# Altium PCB LimeSDR-X3_1v1.PcbDoc (part 18 of 25)
Units mm, origin at the board's own origin, x right, y up, seen from the top; angles counter-clockwise.
Board outline 232.5 x 111.15 mm, 12 copper layers (Top, L2, L3, L4, L5, L6, L7, L8, L9, L10, L11, Bottom), stack 1.596 mm thick; 2068 components, 1388 nets, 8930 pads, 3646 vias.
Unrouted connection lines stored in the file: 1.
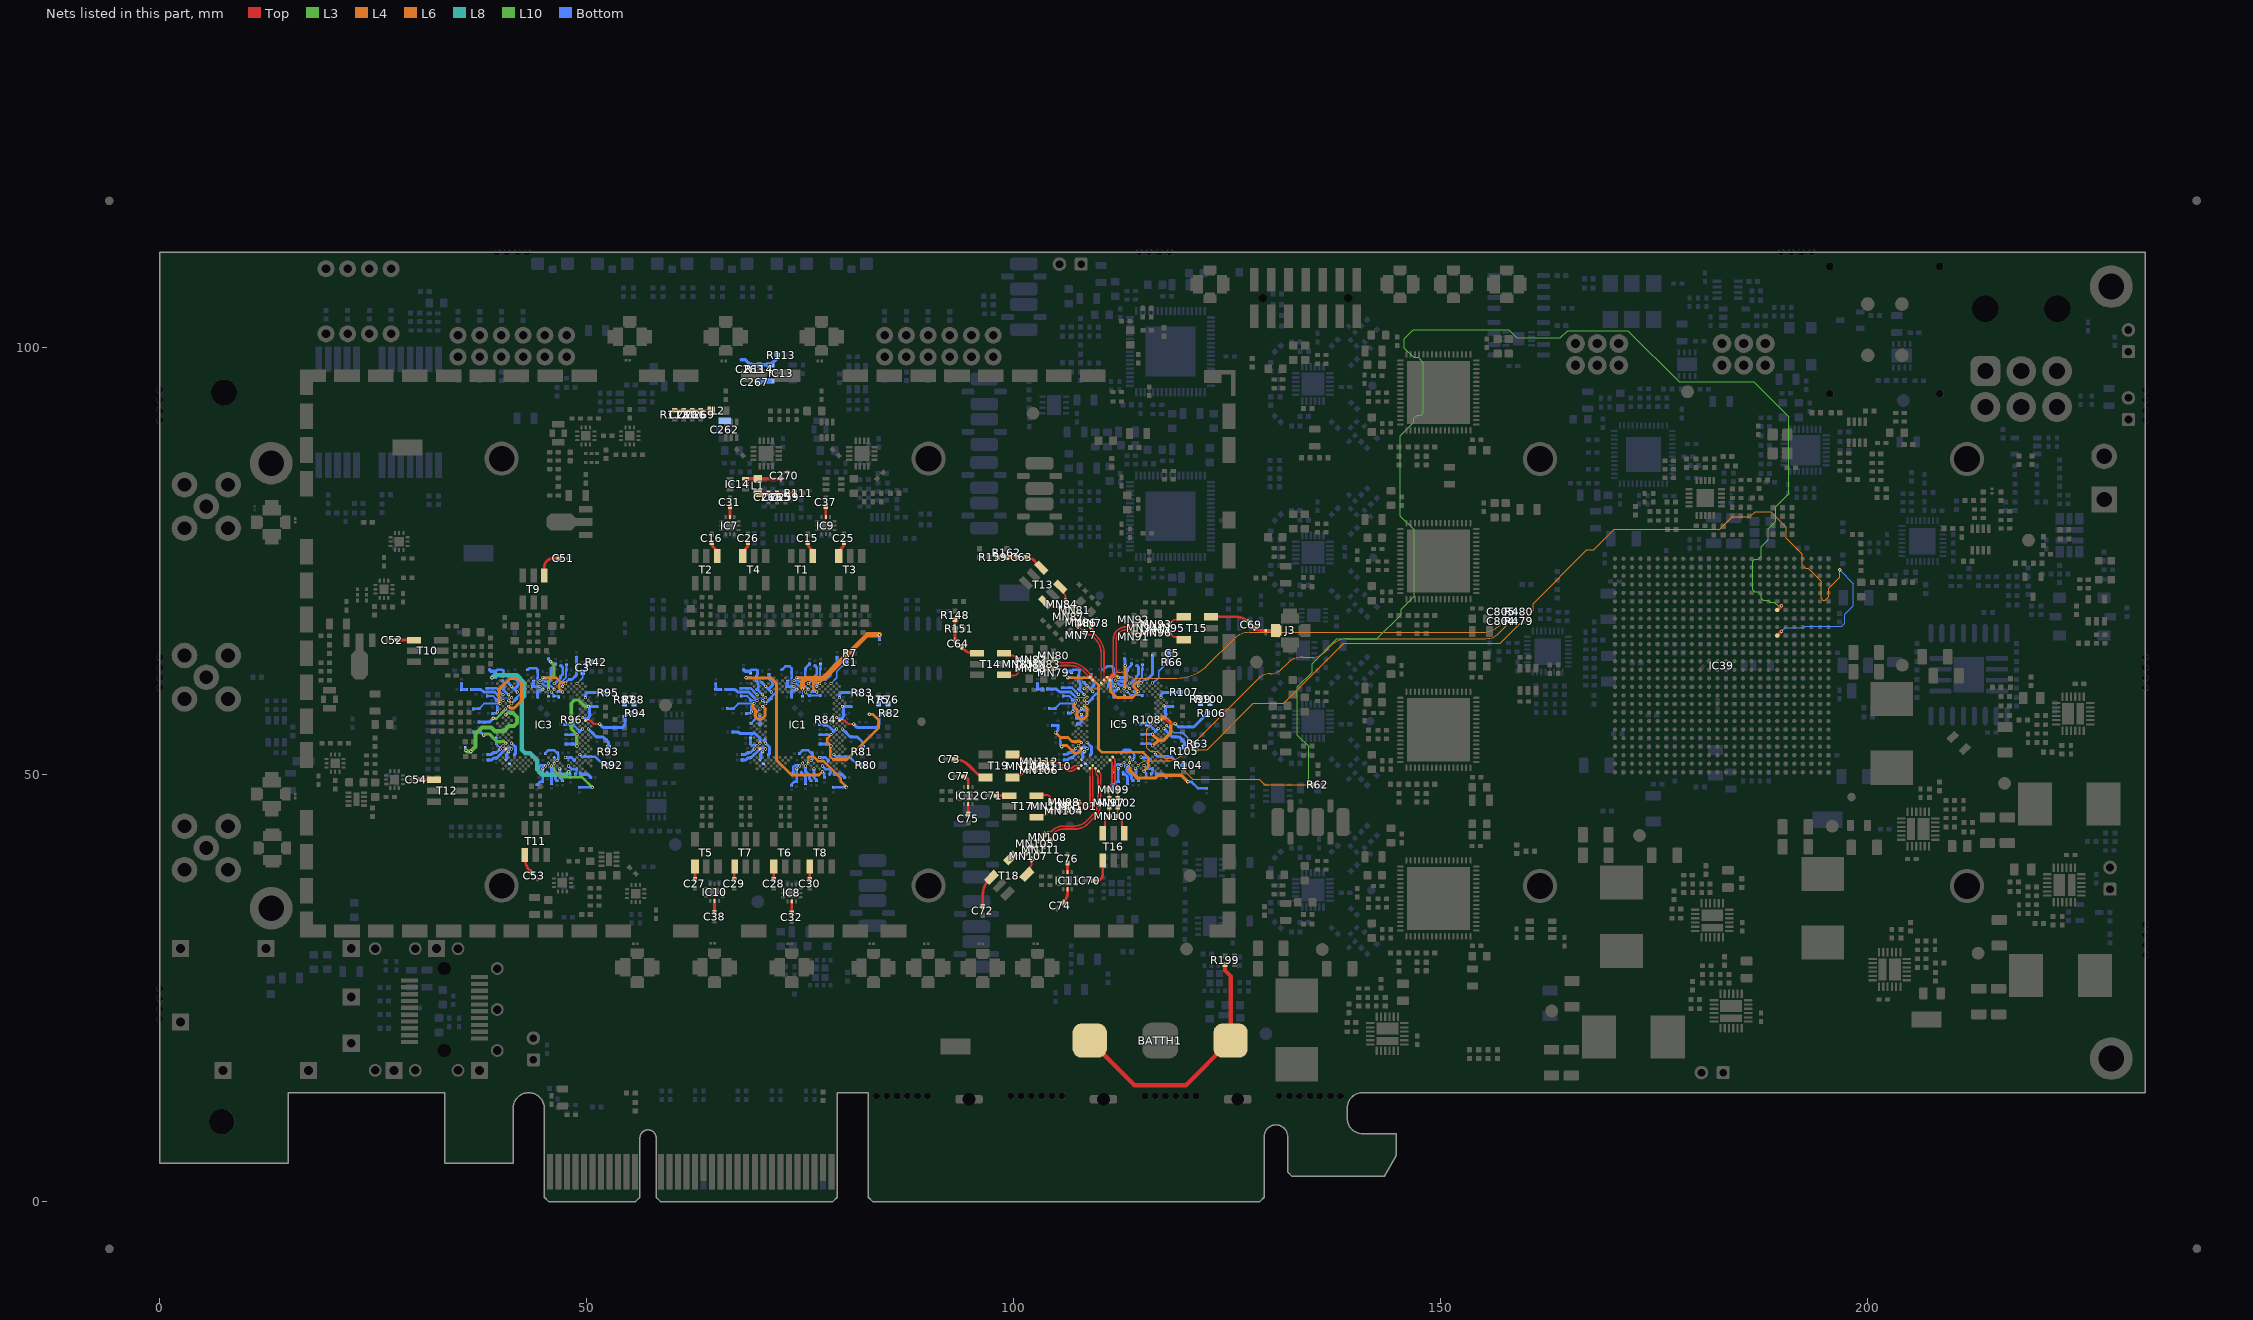
[diagram p28: the nets of this part, all layers, seen from the top]

## Via types
v1: diameter 0.4, hole 0.2, Top to Bottom, tented both sides, 3063 vias
v2: diameter 0.35, hole 0.2, Top to Bottom, tented both sides, 272 vias
v3: diameter 0.5, hole 0.2, Top to Bottom, tented bottom, 196 vias
v4: diameter 0.5, hole 0.2, Top to Bottom, tented both sides, 102 vias
v5: diameter 0.8, hole 0.4, Top to Bottom, tented both sides, 13 vias

## Nets (pads, with @x,y where several pads share a name; then routed paths per layer and width w, separated by ;. In a path a pad name is that pad's centre, name@x,y a point inside that pad or via, vN(x,y) a via of type N, cw(c..) or ccw(c..) an arc to the next point about the centre after c; other vN are vias at no path point) (continued)
LMS3_RXEN: IC5.V34 IC39.U7 R63.2 | length 117.6
  Top w0.4: IC39.U7@189.375,66.275 v1(189.875,66.775)
  L6 w0.1: v1(121.425,52.925) 122.624,52.925 128.049,58.35 131.575,58.35 138.625,65.4 156.95,65.4 160.8,69.25 160.8,70.025 167.1,76.325 167.875,76.325 170.275,78.725 182.65,78.725 184.1,80.175 186.15,80.175 186.775,80.8 188.626,80.8 190.45,78.976 190.45,77.695 192.325,75.82 192.325,74.547 192.697,74.175 192.97,74.175 193.225,73.92 193.225,73.917 193.567,73.575 193.57,73.575 194.525,72.62 194.525,70.63 194.73,70.425 195.02,70.425 195.425,70.83 195.425,71.82 196.7,73.095 v1(196.7,73.975)
  Bottom w0.13: v1(189.875,66.775) 190.3,67.2 192.5,67.2 192.675,67.375 196.95,67.375 197.275,67.7 197.275,68.75 198.3,69.775 198.3,72.375 v1(196.7,73.975)
  Bottom w0.2: v2@117.93,55.689 118.734,54.885 119.771,54.885 121.025,53.631 121.025,53.071 121.171,52.925 v1(121.425,52.925)
  other v2: 117.884,55.729
LMS3_RxPLL_CLK: C805.2 IC5.AM24 R480.1 | length 52.5
  L6 w0.1: v2(114.554,51.067) 114.735,51.248 cw(c115.584,50.4) 115.584,51.6 117.923,51.6 ccw(c117.923,54.14) 119.719,52.344 128.617,61.242 cw(c130.025,59.833) 130.025,61.825 ccw(c130.025,63.696) 131.348,62.373 131.981,63.006 cw(c133.777,61.21) 133.777,63.75 134.916,63.75 ccw(c134.916,65.884) 136.425,64.375 137.231,65.181 cw(c139.027,63.385) 139.027,65.925 155.229,65.925 ccw(c155.229,68.209) 156.844,66.594 157.667,67.417 ccw(c156.984,68.1) 157.95,68.1 157.95,68.668 ccw(c157.575,68.668) 157.575,69.043 v1(157.289,69.043)
  Bottom w0.325: C805.2@157.589,69.043 R480.1@158.689,69.043
LMS3_RXRF1_HAB_N: IC5.AJ15 MN99.1 MN102.2 | length 4.8
  Top w0.2: 111.727,51.903 cw(c111.486,51.661) 111.827,51.661 111.827,49.2 ccw(c112.335,49.2) 111.976,48.841 112.008,48.808 cw(c111.649,48.449) 112.157,48.449 MN99.1@112.157,48.26 ; MN102.2@112.157,47.21 MN99.1@112.157,48.252
LMS3_RXRF1_HAB_P: IC5.AK14 MN97.2 MN99.2 | length 4.5
  Top w0.2: MN97.2@111.157,47.21 111.157,48.26 111.157,48.449 cw(c111.665,48.449) 111.306,48.808 111.338,48.841 ccw(c110.979,49.2) 111.487,49.2 111.487,51.345 ccw(c111.169,51.345) 111.394,51.57
LMS3_RXRF1_HBB_N: MN100.1 MN102.1 T16.6 | length 2.8
  Top w0.2: MN100.1@112.157,45.11 112.558,44.708 cw(c112.32,44.47) 112.657,44.47 112.657,43.82 T16.6@112.817,43.66 ; MN100.1@112.157,45.16 MN102.1@112.157,46.21
LMS3_RXRF1_HBB_P: MN97.1 MN100.2 T16.4 | length 3
  Top w0.2: T16.4@110.312,43.475 110.657,43.82 110.657,44.47 cw(c110.994,44.47) 110.756,44.708 MN100.2@111.157,45.11 ; MN100.2@111.157,45.16 111.157,45.81 MN97.1@111.157,46.21
LMS3_RXRF1_WAB_N: IC5.AP10 MN108.2 MN111.2 | length 12.9
  Top w0.2: MN111.2@103.551,41.559 MN108.2@104.288,42.296 ; MN108.2@104.293,42.302 104.329,42.337 104.427,42.436 ccw(c104.068,42.795) 104.576,42.795 104.576,42.841 cw(c105.084,42.841) 104.725,43.2 cw(c105.751,42.174) 105.751,43.625 107.128,43.625 ccw(c107.128,45.846) 108.698,44.275 ; 108.699,44.276 109.523,45.1 ccw(c107.95,46.673) 110.175,46.673 110.175,49.88 ccw(c109.6,49.88) IC5.AP10@110.007,50.286
LMS3_RXRF1_WAB_P: IC5.AN9 MN105.2 MN108.1 | length 13.1
  Top w0.11: IC5.AN9@109.559,50.734 109.559,50.305 ccw(c109.955,50.305) 109.675,50.025
  Top w0.2: MN105.2@102.844,42.266 MN108.1@103.586,43.009 103.622,43.044 103.72,43.143 cw(c104.08,42.784) 104.079,43.292 104.125,43.292 ccw(c104.125,43.8) 104.485,43.44 104.487,43.443 cw(c105.748,42.182) 105.748,43.965 106.987,43.965 ccw(c106.987,46.186) 108.558,44.616 109.282,45.34 ccw(c107.946,46.675) 109.835,46.675 109.835,49.639 ccw(c109.289,49.639) 109.675,50.025
LMS3_RXRF1_WBB_N: MN107.1 MN111.1 T18.6 | length 3
  Top w0.2: T18.6@101.508,38.321 101.508,38.809 101.967,39.268 ccw(c101.729,39.507) 102.066,39.507 MN107.1@102.066,40.074 ; MN107.1@102.101,40.11 MN111.1@102.844,40.852
LMS3_RXRF1_WBB_P: MN105.1 MN107.2 T18.4 | length 3
  Top w0.2: T18.4@99.606,40.223 100.093,40.223 100.553,40.683 cw(c100.791,40.444) 100.791,40.781 MN107.2@101.359,40.781 ; MN107.2@101.394,40.817 101.854,41.276 MN105.1@102.137,41.559
LMS3_RXRF2_HAB_N: IC5.AM8 MN101.1 MN104.2 | length 7.6
  Top w0.11: 109.226,50.561 IC5.AM8@109.226,51.067
  Top w0.14: 109.226,50.561 109.226,49.821 109.235,49.812
  Top w0.2: MN104.2@106.364,45.767 MN101.1@107.407,45.767 ; MN101.1@107.414,45.767 MN101.1@107.464,45.767 107.604,45.767 ccw(c107.604,46.275) 107.963,45.916 107.995,45.948 cw(c108.355,45.589) 108.355,46.097 ccw(c108.355,46.978) 109.236,46.978 ; 109.236,46.903 109.236,47.825 109.235,49.812
LMS3_RXRF2_HAB_P: IC5.AN7 MN98.2 MN101.2 | length 6.8
  Top w0.14: IC5.AN7@108.893,50.734 cw(c108.864,50.705) 108.905,50.705 108.905,49.821 108.895,49.812
  Top w0.2: MN98.2@106.364,46.767 107.414,46.767 MN101.2@107.464,46.767 107.604,46.767 cw(c107.604,46.259) 107.963,46.618 107.995,46.586 ccw(c108.355,46.945) 108.355,46.437 ccw(c108.355,46.978) 108.896,46.978 ; 108.896,46.903 108.896,47.825 108.895,49.812
LMS3_RXRF2_HBB_N: MN103.1 MN104.1 T17.6 | length 3
  Top w0.2: T17.6@102.63,44.922 102.975,45.267 103.625,45.267 ccw(c103.625,45.604) 103.863,45.366 MN103.1@104.264,45.767 ; MN103.1@104.314,45.767 MN104.1@105.364,45.767
LMS3_RXRF2_HBB_P: MN98.1 MN103.2 T17.4 | length 3.4
  Top w0.2: T17.4@102.63,47.612 103.826,47.612 cw(c103.826,47.124) 104.314,47.124 104.314,46.767 104.964,46.767 MN98.1@105.364,46.767
LMS3_RXRF2_WAB_N: IC5.AM4 MN110.2 MN112.2 | length 4.7
  Top w0.11: 107.372,51.067 IC5.AM4@107.894,51.067
  Top w0.2: MN112.2@103.459,51.485 MN110.2@104.509,51.485 104.699,51.485 cw(c104.699,50.977) 105.058,51.336 105.09,51.304 ccw(c105.449,51.663) 105.449,51.155 105.645,51.155 cw(c105.645,50.372) 106.199,50.926 106.269,50.856 ccw(c106.525,51.112) 106.525,50.75 106.634,50.75 ccw(c106.634,51.091) 106.875,50.85 106.894,50.869 cw(c107.372,50.391) 107.372,51.067
LMS3_RXRF2_WAB_P: IC5.AN3 MN106.2 MN110.1 | length 4.4
  Top w0.2: MN106.2@103.459,50.485 MN110.1@104.502,50.485 ; MN110.1@104.509,50.485 104.699,50.485 ccw(c104.699,50.993) 105.058,50.634 105.09,50.666 cw(c105.449,50.307) 105.449,50.815 105.644,50.815 cw(c105.644,50.369) 105.96,50.685 106.03,50.614 ccw(c106.523,51.107) 106.523,50.41 106.635,50.41 ccw(c106.635,51.087) 107.114,50.608 cw(c107.418,50.305) 107.115,50.61 cw(c107.418,50.305) 107.418,50.734 IC5.AN3@107.561,50.734
LMS3_RXRF2_WBB_N: MN109.1 MN112.1 T19.4 | length 3
  Top w0.2: T19.4@99.829,52.356 100.174,52.011 100.824,52.011 cw(c100.824,51.674) 101.062,51.913 MN109.1@101.464,51.511 ; MN109.1@101.409,51.485 102.059,51.485 MN112.1@102.459,51.485
LMS3_RXRF2_WBB_P: MN106.1 MN109.2 T19.6 | length 3
  Top w0.2: T19.6@99.829,49.666 100.174,50.011 100.824,50.011 ccw(c100.824,50.349) 101.062,50.11 MN109.2@101.464,50.511 ; MN109.2@101.409,50.485 MN106.1@102.459,50.485
LMS3_TX1_1: C64.1 R148.2 R151.2 | length 2.5
  Top w0.325: C64.1@93.074,65.706 93.074,65.829 93.1,65.856 R151.2@93.1,67.075 R148.2@93.1,68.175
LMS3_TX2_1: C63.1 R159.2 R162.2 | length 2.4
  Top w0.325: R159.2@98.059,75.45 R162.2@99.159,75.45 C63.1@100.427,75.45
LMS3_TX2_2: C69.1 ESD3.1 J3.1 | length 2.6
  Top w0.325: C69.1@128.15,67.178 ccw(c128.874,67.903) 128.874,66.878 ESD3.1@129.465,66.878 J3.1@130.625,66.878
LMS3_TXEN: IC5.U29 IC39.Y7 R62.2 | length 166.6
  Top w0.4: v1(134.495,48.8) R62.2@135.075,48.8 ; IC39.Y7@189.375,69.275 v1(189.875,69.775)
  L3 w0.1: v1(134.495,48.8) 134.495,53.302 133.2,54.598 133.2,60.275 134.925,62 134.925,63.009 137.816,65.9 142.509,65.9 145.35,68.741 145.35,69.359 146.85,70.859 146.85,78.667 145.25,80.267 145.25,89.675 146.825,91.25 146.825,91.725 147.2,92.1 147.675,92.1 147.95,92.375 147.95,98.22 147.32,98.85 146.792,98.85 145.7,99.942 145.7,101.044 146.731,102.075 157.933,102.075 158.858,101.15 163.992,101.15 164.842,102 171.9,102 177.9,96 186.6,96 190.7,91.9 190.7,82.859 189.2,81.359 189.2,79.675 188.3,78.775 188.3,77.5 187.5,76.7 187.5,75.542 187.158,75.2 186.725,75.2 186.525,75 186.525,71.63 186.73,71.425 187.125,71.425 187.5,71.05 187.5,70.655 187.73,70.425 188.325,70.425 188.55,70.2 189.05,70.2 189.475,69.775 v1(189.875,69.775)
  L4 w0.1: v2@116.265,56.022 115.55,55.307 115.55,53.15 115.975,52.725 116.8,52.725 117.625,51.9 118.467,51.9 120.917,49.45 128.725,49.45 129.375,48.8 v1(134.495,48.8)
  other v2: 116.219,56.062
LMS3_TxPLL_CLK: C804.2 IC5.E5 R479.1 | length 53.3
  L6 w0.1: v2(108.227,60.058) 108.912,60.058 ccw(c108.912,62.462) 110.612,60.762 111.594,61.744 cw(c112.151,61.188) 112.151,61.975 112.59,61.975 cw(c112.59,60.865) 113.375,61.65 ccw(c114.22,62.495) 114.22,61.3 119.077,61.3 ccw(c119.077,66.364) 122.658,62.783 125.781,65.906 cw(c127.577,64.11) 127.577,66.65 154.944,66.65 ccw(c154.944,69.19) 156.74,67.394 v1(157.289,67.943)
  Bottom w0.325: C804.2@157.589,67.943 R479.1@158.689,67.943
LMS3_TXRF1_1AB_N: IC5.A7 MN79.1 MN83.2 MN88.2 | length 6.9
  Top w0.2: MN88.2@102.53,62.443 MN83.2@103.58,62.443 104.23,62.443 MN79.1@104.63,62.443 104.82,62.443 ccw(c104.82,62.951) 105.179,62.592 105.212,62.624 cw(c105.571,62.265) 105.571,62.773 106.56,62.773 cw(c106.56,60.598) 108.098,62.136 108.81,61.425 108.858,61.425 IC5.A7@108.893,61.39
LMS3_TXRF1_1AB_P: IC5.B8 MN80.1 MN82.2 MN83.1 | length 7.7
  Top w0.11: 108.998,61.752 109.148,61.602 cw(c108.958,61.413) 109.226,61.413 IC5.B8@109.226,61.057
  Top w0.2: MN82.2@102.53,63.443 MN83.1@103.58,63.443 MN80.1@104.63,63.443 104.82,63.443 cw(c104.82,62.935) 105.179,63.295 105.212,63.262 ccw(c105.571,63.621) 105.571,63.113 ; 105.625,63.113 106.509,63.113 ; 106.511,63.113 106.564,63.113 cw(c106.564,60.608) 108.336,62.379 108.955,61.76
LMS3_TXRF1_1BB_N: MN85.1 MN88.1 T14.6 | length 3.4
  Top w0.2: T14.6@98.796,61.598 99.993,61.598 ccw(c99.993,62.086) 100.48,62.086 MN85.1@100.48,62.443 MN88.1@101.53,62.443
LMS3_TXRF1_1BB_P: MN82.1 MN85.2 T14.4 | length 3
  Top w0.2: T14.4@98.846,64.288 99.191,63.943 99.841,63.943 cw(c99.841,63.606) 100.079,63.845 MN85.2@100.48,63.443 101.13,63.443 MN82.1@101.53,63.443
LMS3_TXRF2_1AB_N: IC5.C11 MN77.1 MN86.1 MN87.2 | length 9
  Top w0.11: IC5.C11@110.225,60.724 110.225,61.23
  Top w0.14: 110.216,61.979 110.225,61.97 110.225,61.23
  Top w0.2: MN87.2@106.767,68.159 MN86.1@107.509,67.417 107.969,66.957 MN77.1@108.252,66.674 108.386,66.54 ccw(c108.745,66.899) 108.745,66.391 108.791,66.391 cw(c108.791,65.883) 109.15,66.242 109.518,65.875 cw(c107.833,64.19) 110.216,64.19 110.216,62.872 110.216,61.979
LMS3_TXRF2_1AB_P: IC5.B12 MN78.1 MN81.2 MN86.2 | length 8.9
  Top w0.14: 110.556,61.979 110.546,61.97 110.546,61.086 ccw(c110.587,61.086) IC5.B12@110.558,61.057
  Top w0.2: MN81.2@107.474,68.866 MN86.2@108.216,68.124 MN78.1@108.959,67.381 109.093,67.247 cw(c108.734,66.888) 109.242,66.888 109.242,66.842 ccw(c109.75,66.842) 109.39,66.483 109.758,66.115 109.76,66.113 cw(c107.84,64.193) 110.556,64.193 110.556,63.013 110.556,61.979
LMS3_TXRF2_1BB_N: MN84.1 MN87.1 T13.6 | length 3
  Top w0.2: T13.6@103.564,70.167 104.052,70.167 104.511,69.707 ccw(c104.75,69.946) 104.75,69.609 MN84.1@105.317,69.609 MN87.1@106.06,68.866
LMS3_TXRF2_1BB_P: MN81.1 MN84.2 T13.4 | length 3
  Top w0.2: T13.4@105.466,72.069 105.466,71.581 105.926,71.122 cw(c105.687,70.883) 106.024,70.883 MN84.2@106.024,70.316 106.484,69.856 MN81.1@106.767,69.573
LMS3_TXRF2_2AB_N: IC5.B14 MN91.1 MN94.1 MN96.1 | length 9.9
  Top w0.2: IC5.B14@111.27,61.017 cw(c111.368,61.017) 111.299,61.086 111.327,61.115 ccw(c111.282,61.159) 111.345,61.159 cw(c111.408,61.159) 111.364,61.203 111.669,61.509 ccw(c110.919,62.26) 111.98,62.26 111.98,65.828 cw(c113.102,65.828) 113.102,66.95 cw(c113.102,66.442) 113.461,66.801 ; 113.461,66.801 113.494,66.769 ccw(c113.853,67.128) 113.853,66.62 MN91.1@114.043,66.62 MN94.1@115.093,66.62 MN96.1@116.143,66.62
LMS3_TXRF2_2AB_P: IC5.A13 MN92.1 MN93.2 MN94.2 | length 10.2
  Top w0.2: IC5.A13@110.937,61.35 ccw(c110.937,61.448) 111.006,61.379 111.034,61.407 cw(c111.079,61.363) 111.079,61.425 ccw(c111.079,61.488) 111.123,61.444 111.429,61.749 ccw(c110.917,62.26) 111.64,62.26 111.64,65.828 cw(c113.102,65.828) 113.102,67.29 ccw(c113.102,67.798) 113.461,67.439 113.494,67.471 cw(c113.853,67.112) 113.853,67.62 MN92.1@114.043,67.62 114.443,67.62 MN94.2@115.093,67.62 MN93.2@116.143,67.62
LMS3_TXRF2_2BB_N: MN95.1 MN96.2 T15.4 | length 3
  Top w0.2: MN96.2@117.143,66.62 117.543,66.62 MN95.1@118.193,66.62 118.594,66.219 ccw(c118.832,66.457) 118.832,66.12 119.482,66.12 T15.4@119.827,65.775
LMS3_TXRF2_2BB_P: MN93.1 MN95.2 T15.6 | length 3
  Top w0.2: MN93.1@117.143,67.62 MN95.2@118.193,67.62 118.594,68.021 cw(c118.832,67.783) 118.832,68.12 119.482,68.12 T15.6@119.827,68.465
NetBATTH1_1: BATTH1.1 R199.1 | length 30
  Top w0.5: BATTH1.1@108.875,18.85 114.1,13.625 120.15,13.625 BATTH1.1@125.375,18.85 125.375,26.4 124.725,27.05 R199.1@124.725,27.775
NetC1_1: C1.1 IC1.C29 R7.1 | length 4.3
  Bottom w0.2: v2(78.575,60.668) 79.25,61.343 79.25,62.067 C1.1@80.346,63.163 R7.1@80.346,64.213
NetC3_1: C3.1 IC3.C29 R42.1 | length 3.2
  Bottom w0.2: v2(48.825,60.668) 49.5,61.343 49.5,61.705 49.5,62.067 R42.1@50.596,63.163
NetC5_1: C5.1 IC5.C29 R66.1 | length 4.3
  Bottom w0.2: v2@116.265,60.684 116.94,61.359 116.94,62.084 R66.1@118.036,63.18 C5.1@118.036,64.23
  other v2: 116.219,60.724
NetC15_2: C15.2 T1.3 | length 2.3
  Top w0.325: C15.2@75.853,77.16 75.853,77.064 ccw(c76.436,77.064) 76.024,76.652 76.126,76.55 cw(c75.305,75.729) 76.466,75.729 T1.3@76.466,75.585 T1.3@76.466,76.106
NetC16_2: C16.2 T2.3 | length 1.8
  Top w0.325: C16.2@64.627,77.16 64.627,77.064 ccw(c65.21,77.064) 64.798,76.652 64.9,76.55 cw(c64.079,75.729) 65.24,75.729 T2.3@65.24,75.585
NetC25_2: C25.2 T3.1 | length 2.3
  Top w0.325: T3.1@79.481,76.081 79.481,75.56 79.481,75.704 cw(c80.642,75.704) 79.821,76.525 79.923,76.627 ccw(c79.511,77.039) 80.093,77.039 C25.2@80.093,77.135
NetC26_2: C26.2 T4.1 | length 2.4
  Top w0.325: T4.1@68.255,75.489 68.255,75.633 cw(c69.416,75.633) 68.595,76.454 68.697,76.556 ccw(c68.285,76.967) 68.867,76.967 68.867,77.064 C26.2@68.867,77.16 ; T4.1@68.255,75.585 T4.1@68.255,76.106
NetC27_2: C27.2 T5.3 | length 1.5
  Top w0.325: C27.2@62.645,37.72 T5.3@62.645,39.255
NetC28_2: C28.2 T6.3 | length 1.5
  Top w0.325: C28.2@71.875,37.72 T6.3@71.875,39.255
NetC29_2: C29.2 T7.3 | length 1.5
  Top w0.325: C29.2@67.235,37.72 T7.3@67.235,39.255
NetC30_2: C30.2 T8.3 | length 1.5
  Top w0.325: C30.2@76.1,37.719 T8.3@76.1,39.254
NetC31_1: C31.1 IC7.5 | length 1.3
  Top w0.325: IC7.5@66.747,80.035 IC7.5@66.747,80.16 C31.1@66.747,81.38
NetC32_2: C32.2 IC8.5 | length 1.5
  Top w0.325: C32.2@73.988,33.795 IC8.5@73.988,35.145 IC8.5@73.988,35.27
NetC37_1: C37.1 IC9.5 | length 1.3
  Top w0.325: IC9.5@77.973,80.035 IC9.5@77.973,80.16 C37.1@77.973,81.38
NetC38_2: C38.2 IC10.5 | length 1.5
  Top w0.325: C38.2@64.94,33.87 IC10.5@64.94,35.22 IC10.5@64.94,35.345
NetC51_2: C51.2 T9.3 | length 3.3
  Top w0.325: T9.3@45.011,73.321 45.011,74.302 cw(c46.016,74.302) 46.016,75.307 ; 45.991,75.307 C51.2@46.741,75.307
NetC52_2: C52.2 T10.3 | length 2.1
  Top w0.325: C52.2@27.704,65.752 28.195,65.752 T10.3@29.76,65.752
NetC53_2: C53.2 T11.3 | length 2.3
  Top w0.325: T11.3@42.733,40.577 42.733,40.317 ccw(c45.273,40.317) 43.476,38.521 C53.2@43.487,38.51
NetC54_2: C54.2 T12.3 | length 1.6
  Top w0.325: C54.2@30.491,49.407 30.491,49.402 T12.3@32.076,49.402
NetC63_2: C63.2 T13.3 | length 2.2
  Top w0.325: C63.2@101.427,75.45 cw(c101.427,74.117) 102.369,75.06 T13.3@103.189,74.24
NetC64_2: C64.2 T14.3 | length 2.1
  Top w0.325: C64.2@93.816,64.963 94.102,64.678 ccw(c95.223,65.798) 95.223,64.213 T14.3@95.666,64.213
NetC69_2: C69.2 T15.1 | length 4.5
  Top w0.325: T15.1@123.065,68.473 126.024,68.473 cw(c126.024,66.466) C69.2@127.443,67.885
NetC70_2: C70.2 T16.3 | length 3.1
  Top w0.325: C70.2@109.35,37.575 109.687,37.575 ccw(c109.687,38.275) 110.387,38.275 T16.3@110.387,39.955
NetC71_2: C71.2 T17.3 | length 1.5
  Top w0.325: C71.2@97.915,47.537 T17.3@99.45,47.537
NetC72_2: C72.2 T18.3 | length 3.8
  Top w0.325: C72.2@96.35,34.529 96.35,35.915 cw(c98.89,35.915) 97.094,37.711 T18.3@97.357,37.974
NetC73_2: C73.2 T19.1 | length 4.4
  Top w0.325: C73.2@93,51.8 cw(c93,49.386) 94.707,51.093 95.769,50.031 ccw(c96.649,50.911) T19.1@96.649,49.666
NetC74_1: C74.1 IC11.2 | length 1.8
  Top w0.325: C74.1@105.775,35 ccw(c104.568,36.207) 106.275,36.207 IC11.2@106.275,36.575 IC11.2@106.275,36.7
NetC75_1: C75.1 IC12.2 | length 1.3
  Top w0.325: C75.1@94.64,45.354 IC12.2@94.64,46.537 IC12.2@94.64,46.662
NetC76_1: C76.1 IC11.8 | length 1.2
  Top w0.325: IC11.8@106.275,38.45 IC11.8@106.275,38.575 C76.1@106.275,39.65
NetC77_1: C77.1 IC12.8 | length 1.7
  Top w0.325: C77.1@94.115,49.787 cw(c94.115,49.262) 94.64,49.262 IC12.8@94.64,48.537 IC12.8@94.64,48.412
NetC82_1: C82.1 C83.1 C89.1 C90.1 C91.1 C92.1 C93.1 C94.1 IC1.AA29 IC1.AE29 IC1.L33 IC1.R31 R75.2 R76.2 | length 18.3
  L4 w0.3: v2(78.575,54.674) 78.15,54.249 78.15,53.767 v2(78.575,53.342) 78.575,53.328 78.483,53.236 78.483,52.138 78.85,51.771 80.45,51.771 84.15,55.471 84.15,56.371 83.439,57.082 v1(83.041,57.082)
  Bottom w0.23: v2(79.241,56.672) 79.298,56.615 C83.1@79.897,56.615
  Bottom w0.3: C93.1@77.296,53.583 78.333,53.583 v2(78.575,53.342) ; C89.1@77.296,54.683 C94.1@78.071,54.683 v2@78.565,54.683
  Bottom w0.35: v2(79.907,58.004) v2@79.947,57.964 ; C83.1@79.931,56.694 80.046,56.809 80.046,57.865 v2@79.947,57.964 ; C91.1@80.906,57.964 v2@79.947,57.964
NetC84_1: C84.1 C85.1 C86.1 FR3.1 IC1.A17 IC1.C25 IC1.F24 | length 9.3
  L4 w0.3: v2(74.579,61.334) 76.088,61.334 76.651,60.771 ; v2(76.91,59.669) 76.475,60.104 76.475,60.595 76.651,60.771 ; v2(77.243,60.668) 77.23,60.668 77.127,60.771 76.651,60.771
  Bottom w0.25: v2(77.243,60.668) 77.243,60.755 C85.1@77.621,61.133
  Bottom w0.3: C86.1@76.447,59.705 76.874,59.705 v2(76.91,59.669)
  Bottom w0.35: v2(74.579,61.334) C84.1@75.093,61.334 ; C85.1@77.721,61.133 77.996,61.133 78.506,61.644 78.506,62.377 79.256,63.127 FR3.1@79.256,63.744
NetC87_2: C87.2 FR2.1 IC1.M4 | length 2.6
  Bottom w0.17: 69.887,57.308 v2(70.25,57.671)
  Bottom w0.25: FR2.1@69.223,55.996 69.741,56.513 69.741,57.162 v2(70.25,57.671)
NetC88_1: C88.1 FR1.1 IC1.AL21 | length 9.1
  L4 w0.11: v2(75.911,51.344) 75.911,52.007 75.911,52.049
  L4 w0.3: 75.9,51.996 75.911,52.007 76.006,52.102 76.519,52.102 77.05,51.571 77.717,51.571 79.725,49.563 79.725,49.183 80.383,48.524 v1(80.383,48.497)
  Bottom w0.11: v2(75.911,51.344) 75.914,51.347 75.914,51.956 C88.1@75.929,51.971
  Bottom w0.3: FR1.1@78.878,48.497 v1(80.383,48.497)
NetC95_1: C95.1 IC1.G5 R77.1 | length 2.1
  Bottom w0.3: R77.1@69.847,60.98 70.073,60.754 70.073,60.531 70.078,60.526 70.078,60.109 69.944,59.975 v2(70.583,59.336)
NetC96_1: C96.1 FR6.1 IC1.P4 | length 1.1
  Bottom w0.35: FR6.1@70.247,55.865 C96.1@70.247,56.485 70.247,57.002 v2(70.25,57.005)
NetC97_1: C97.1 FR17.1 IC1.D6 IC1.F8 | length 3.6
  Bottom w0.35: C97.1@70.498,60.785 70.498,60.753 71.249,60.002 ; FR17.1@71.331,61.714 71.331,61.395 71.331,61.231 71.674,60.888 71.674,60.879 71.699,60.854 71.699,60.452 71.249,60.002 ; v2(71.582,59.669) 71.249,60.002
  other v2: 70.916,60.335
NetC98_1: C98.1 FR16.1 IC1.B16 | length 3.6
  Bottom w0.17: v2(74.246,61.001) 74.273,60.974 74.758,60.974 74.847,60.885
  Bottom w0.2: v2@74.204,61.043 v2(74.246,61.001)
  Bottom w0.3: 74.847,60.885 75.377,60.885 75.542,61.05 75.542,62.31 75.542,62.45 FR16.1@76.047,62.955
NetC99_1: C99.1 FR15.1 IC1.E19 | length 13.4
  L6 w0.6: v2@75.245,60.149 75.245,60.916 75.575,61.246 77.7,61.246 82.825,66.371 v1(84.25,66.371)
  Bottom w0.11: C99.1@75.245,59.188 v2(75.245,60.002)
  Bottom w0.35: FR15.1@84.25,65.801 v1(84.25,66.371)
NetC100_2: C100.2 FR14.1 IC1.F20 | length 1.9
  Bottom w0.23: v2(75.578,59.669) 75.968,59.279 77.298,59.279 FR14.1@77.342,59.235
NetC101_1: C101.1 FR13.1 IC1.AJ25 | length 1.2
  Bottom w0.35: v2(77.243,52.01) 77.942,52.01 FR13.1@78.267,51.685
NetC102_1: C102.1 IC1.AP26 R78.1 | length 20.3
  L4 w0.35: v1(68.622,61.335) 71.561,61.335 72.175,60.721 72.175,51.713 73.943,49.946 77.177,49.946 v2(77.576,50.345)
  Bottom w0.3: v1(68.622,61.335) R78.1@69.067,61.335 ; v2(77.576,50.345) 77.796,50.125 C102.1@77.796,49.668
NetC103_1: C103.1 FR11.1 IC1.AN23 | length 1.5
  Bottom w0.35: v2(76.577,50.678) 76.577,49.673 76.897,49.353 FR11.1@76.897,49.315
NetC104_1: C104.1 FR10.1 IC1.AM20 | length 2
  Bottom w0.35: C104.1@75.572,50.582 75.572,50.385 76.047,49.91 76.047,49.515 FR10.1@76.247,49.315 ; C104.1@75.576,50.582 75.578,50.584 v2(75.578,51.011)
NetC105_1: C105.1 FR9.1 IC1.AL19 | length 2.2
  Bottom w0.11: v2(75.245,51.344) 75.246,50.738
  Bottom w0.35: 75.096,50.315 75.096,50.219 75.597,49.718 FR9.1@75.597,48.94
NetC106_1: C106.1 FR8.1 IC1.AG5 | length 0.8
  Bottom w0.4: 70.339,51.905 70.339,52.407 v2@70.583,52.651